# Altium PCB RSD_M1_HELMET_UNIT_MCU_V2.PcbDoc
Units mm, origin at the board's own origin, x right, y up, seen from the top; angles counter-clockwise.
Board outline 79.69 x 55.26 mm, 4 copper layers (Top Layer, GND, PWR, Bottom Layer), stack 1.643 mm thick; 79 components, 160 nets, 258 pads, 238 vias.
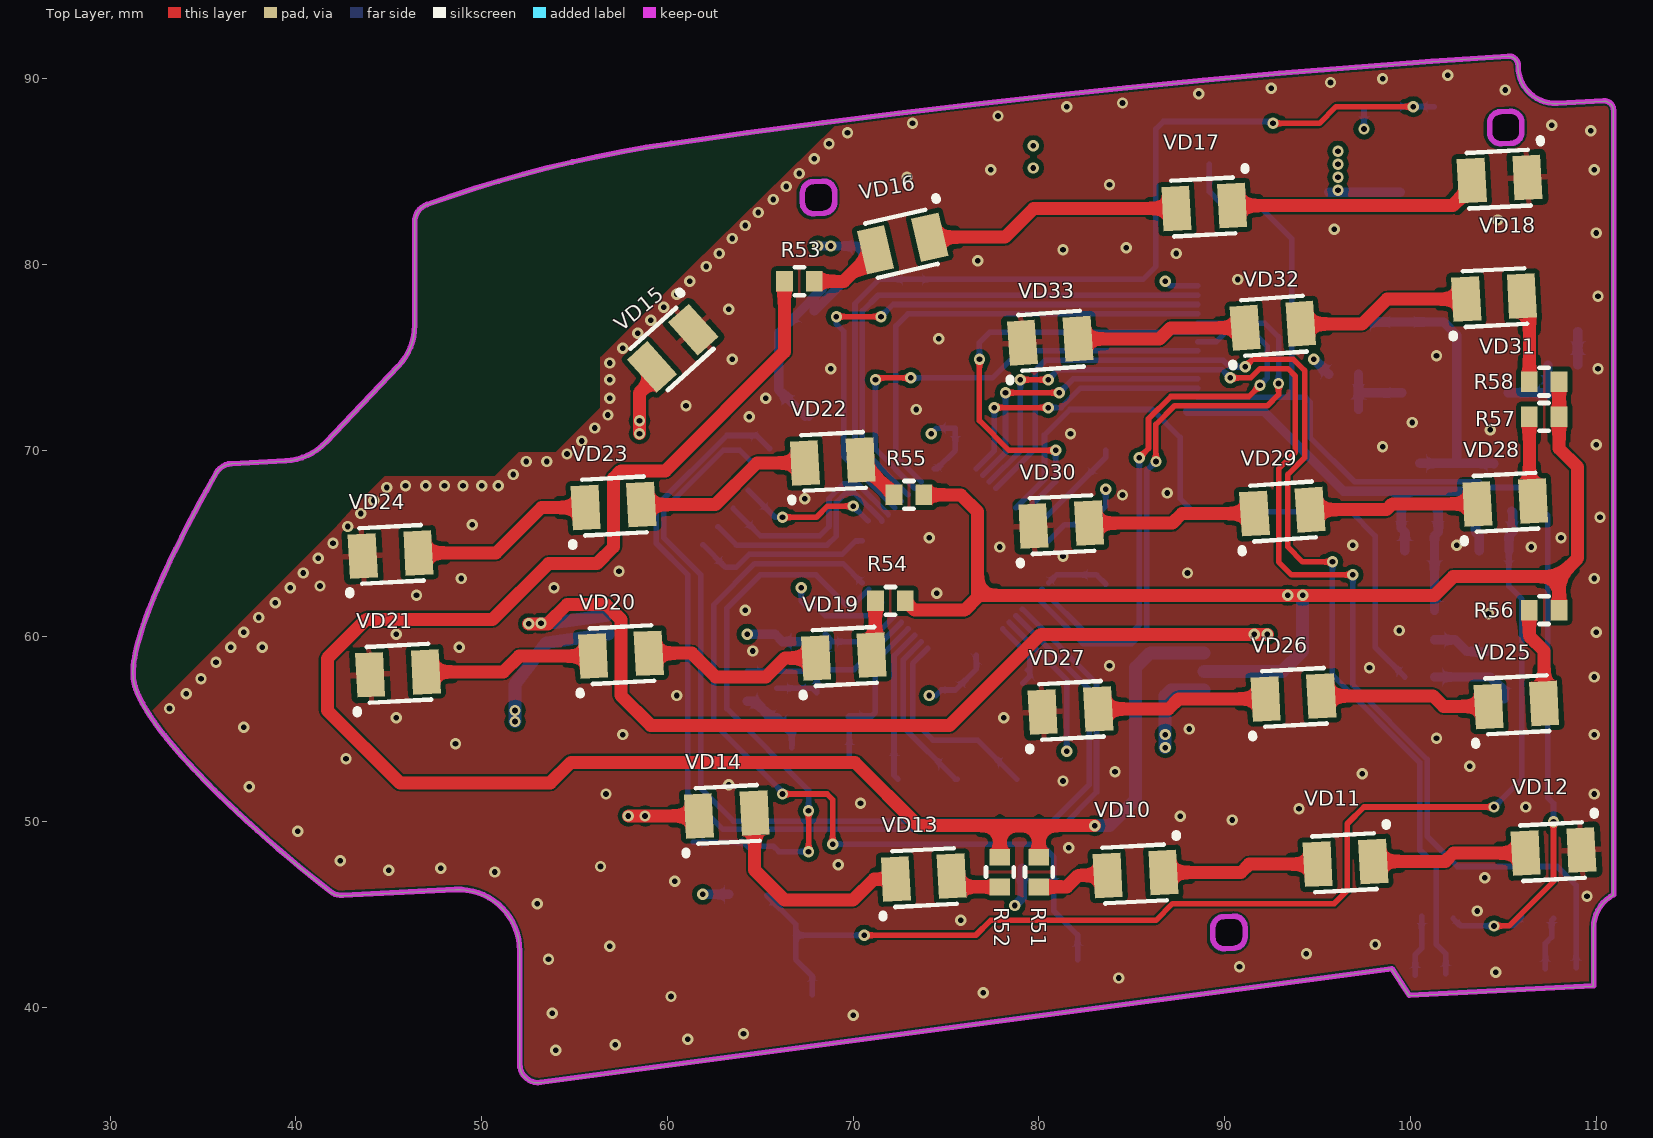
[diagram p0: Top Layer view]
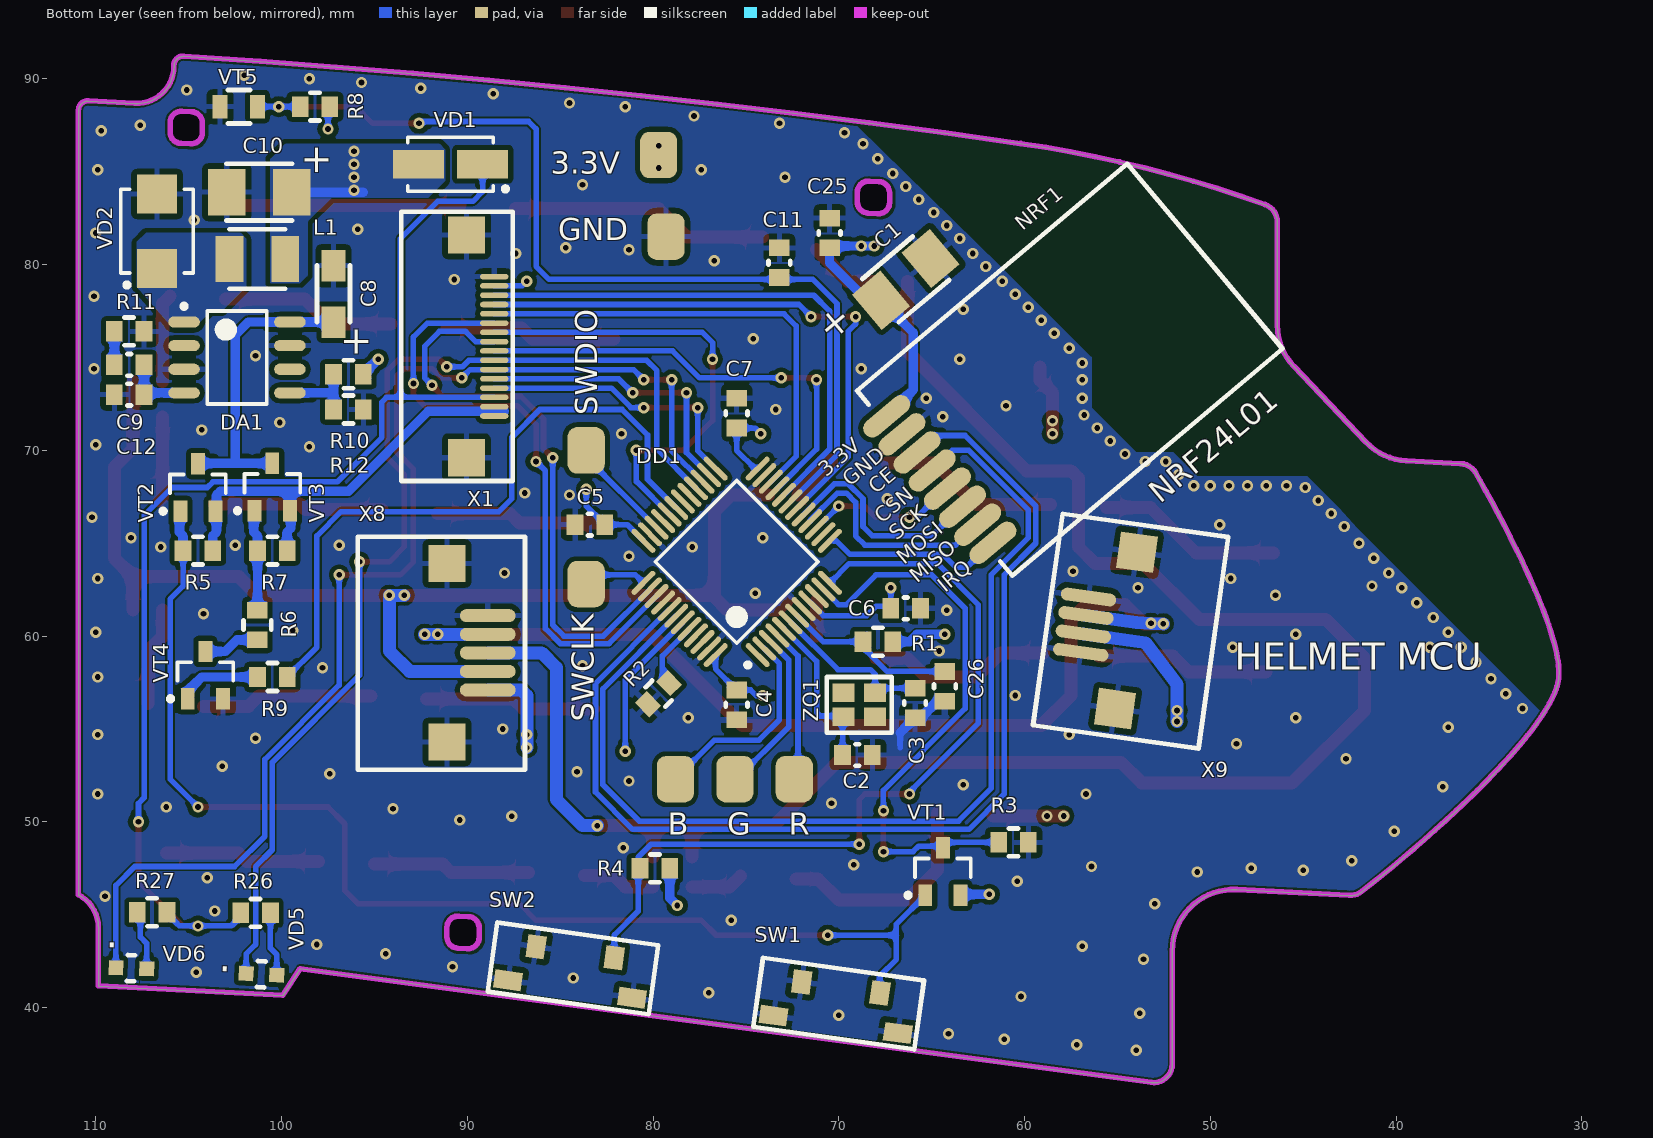
[diagram p1: Bottom Layer view, seen from below]
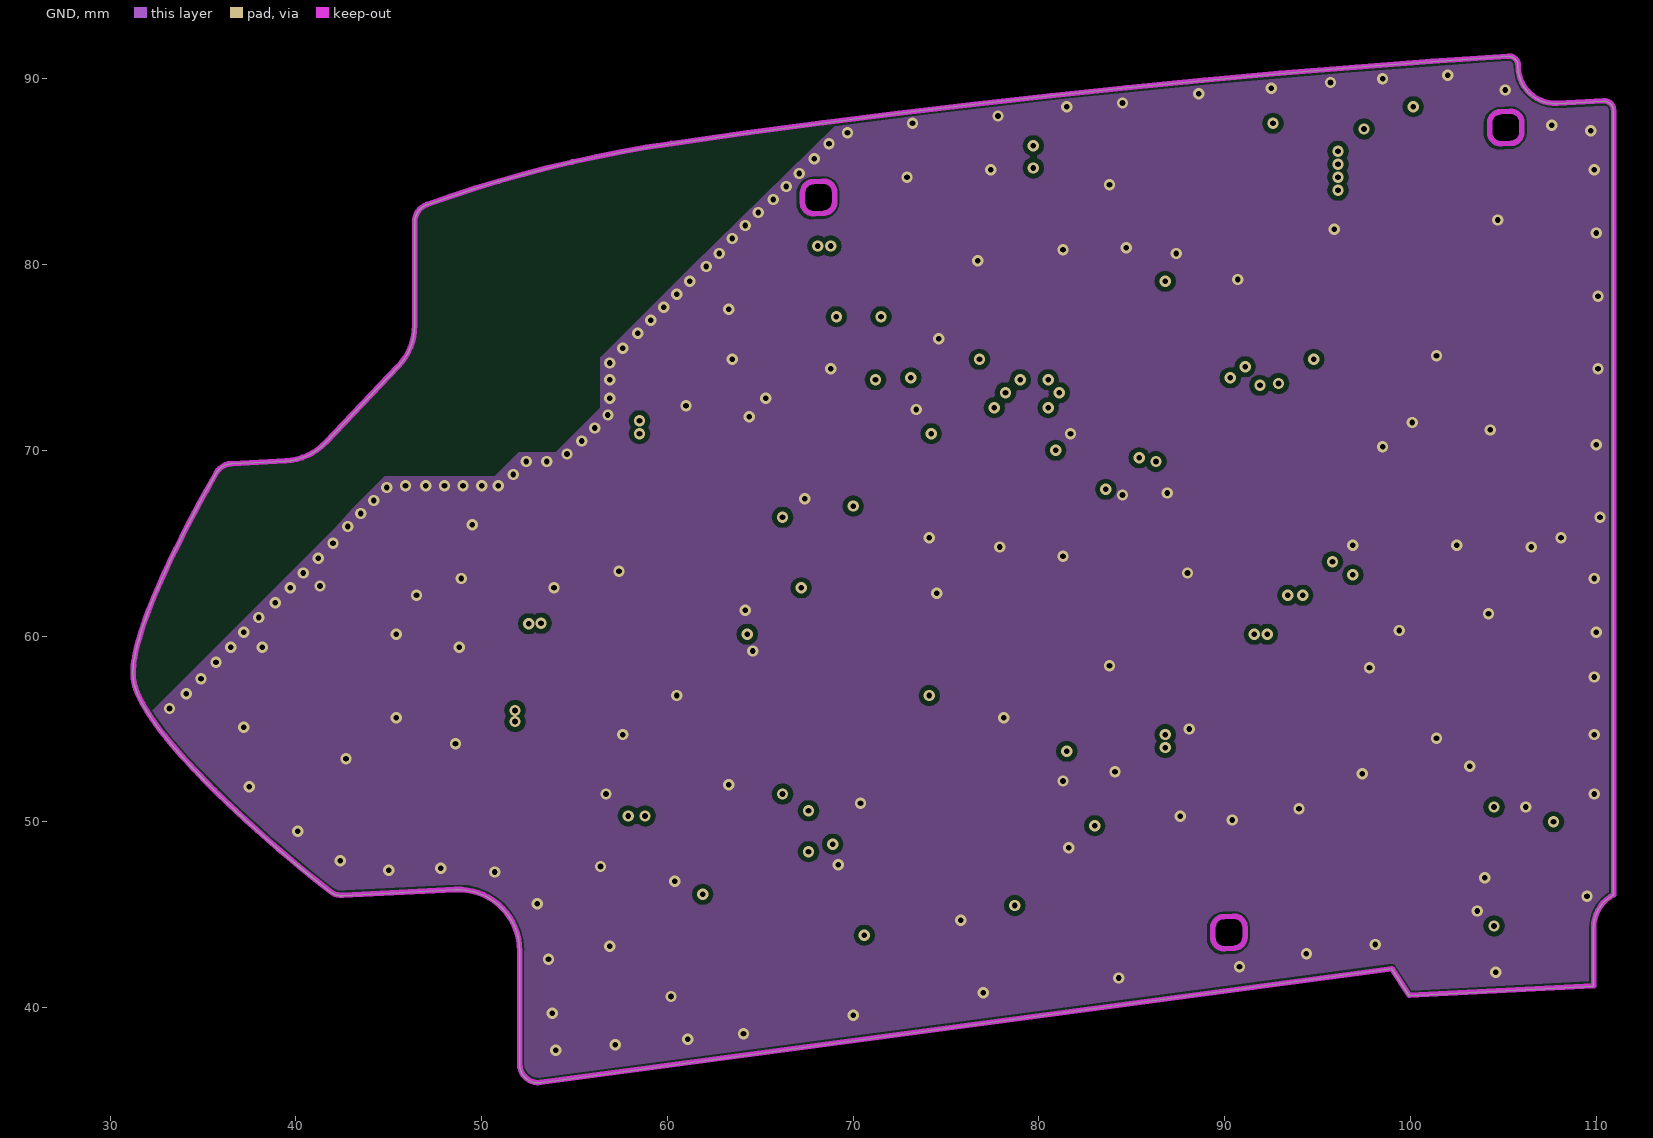
[diagram p2: GND]
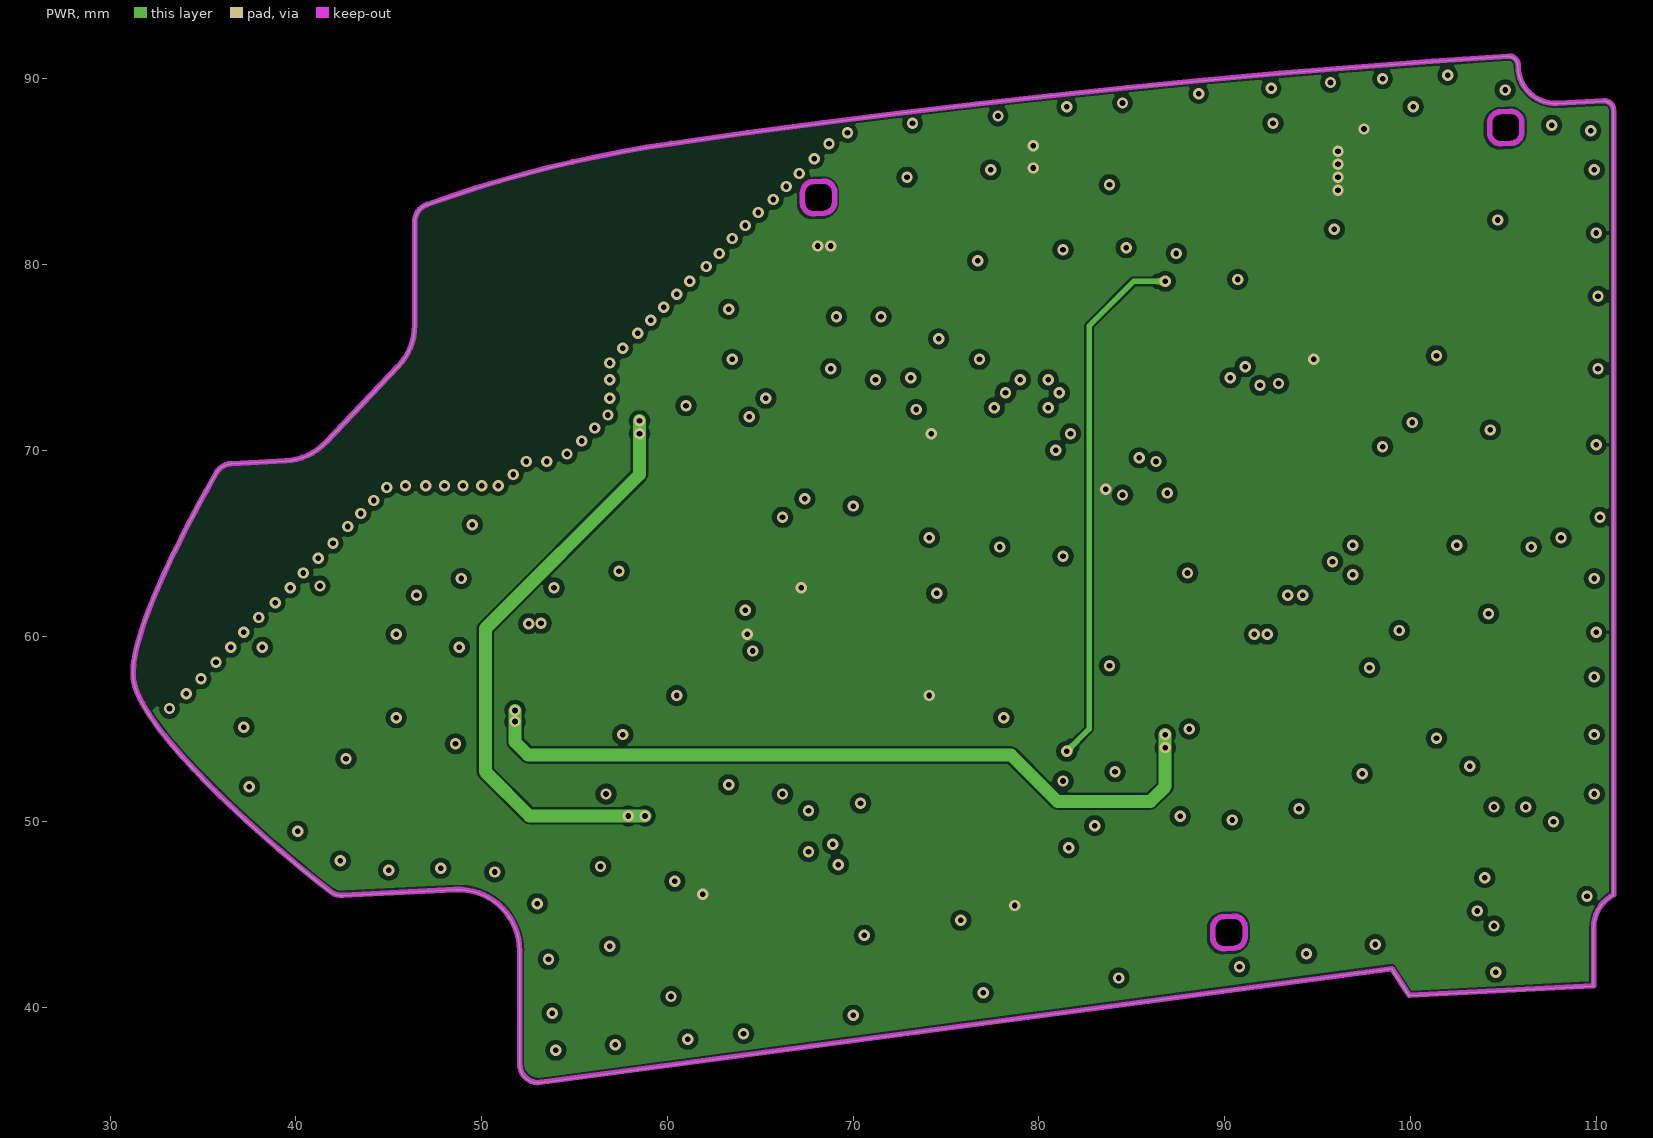
[diagram p3: PWR]
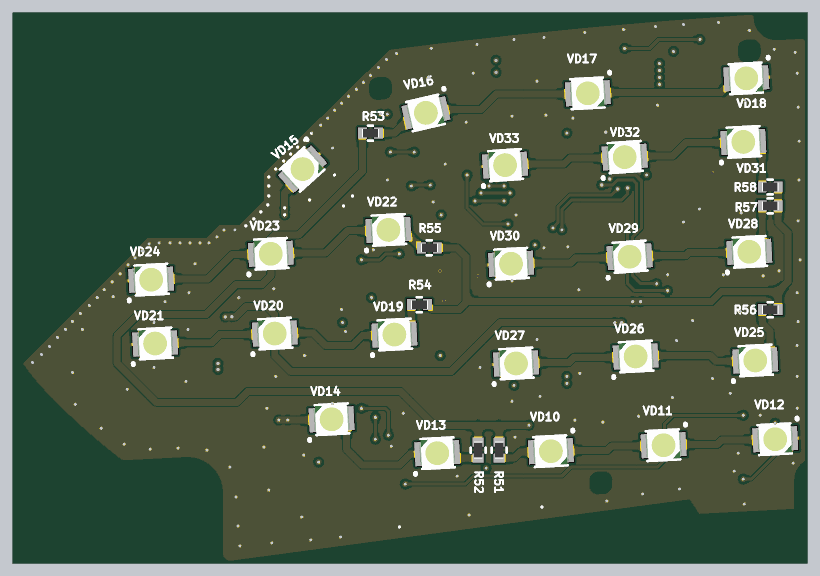
[diagram p4: 3D render of the assembled board from above, using the file's embedded part models]
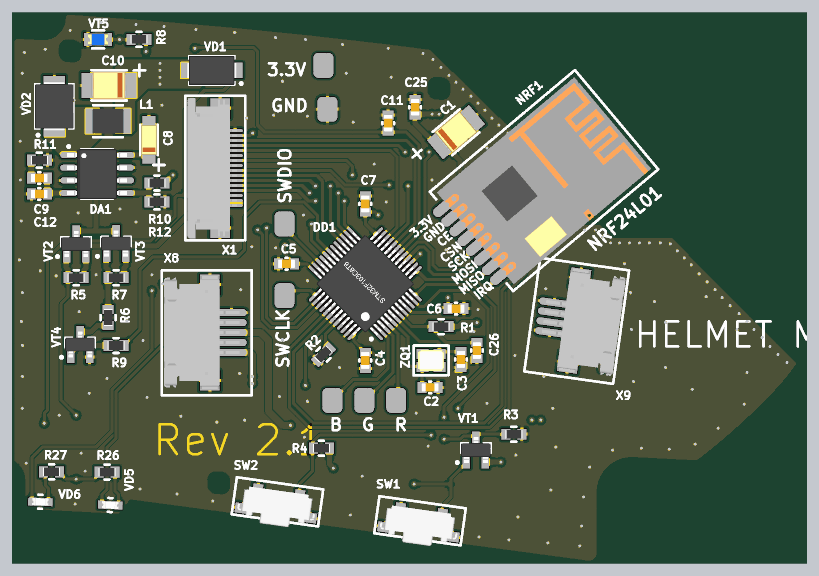
[diagram p5: 3D render of the assembled board from below, using the file's embedded part models]

## Layer stack, top to bottom
Top Solder: solder mask 0.0102, Solder Resist, Dk 3.5
Top Layer: signal copper 0.0356
Dielectric 1: core 0.5, FR-4, Dk 4.2
GND: signal copper 0.036
Dielectric 3: prepreg 0.5, Dk 4.2
PWR: signal copper 0.036
Dielectric 2: core 0.5, Dk 4.2
Bottom Layer: signal copper 0.0356
Bottom Solder: solder mask 0.0102, Solder Resist, Dk 3.5

## Board outline
33.917,53.463 33.725,53.678 33.463,53.979 33.207,54.282 32.958,54.587 32.72,54.891 32.493,55.193 32.385,55.343 32.281,55.491 32.104,55.753 31.942,56.008 31.796,56.254 31.73,56.374 31.668,56.49 31.61,56.603 31.558,56.712 31.474,56.9 31.404,57.076 31.349,57.239 31.306,57.391 31.274,57.536 31.252,57.679 31.239,57.817 31.232,57.964 31.233,58.122 31.242,58.294 31.26,58.479 31.286,58.677 31.318,58.872 31.358,59.076 31.405,59.289 31.444,59.453 31.488,59.622 31.536,59.795 31.587,59.971 31.686,60.29 31.794,60.616 31.911,60.947 32.003,61.196 32.099,61.447 32.199,61.703 32.303,61.959 32.415,62.23 32.53,62.501 32.769,63.047 33.019,63.595 33.276,64.144 33.511,64.633 33.752,65.12 33.996,65.605 34.182,65.968 34.37,66.33 34.696,66.945 35.027,67.557 35.365,68.165 35.708,68.769 cw(c36.575,68.271) 36.524,69.27 39.448,69.421 ccw(c39.283,72.617) 41.599,70.409 45.508,74.511 ccw(c43.192,76.718) 46.392,76.718 46.392,82.275 cw(c47.392,82.275) 47.054,83.216 cw(c69.91,19.613) 60.201,86.497 60.201,86.496 cw(c142.106,-479.537) 105.253,91.203 105.253,91.202 cw(c105.285,90.703) 105.785,90.703 105.785,90.66 ccw(c107.785,90.66) 107.888,88.663 110.397,88.793 cw(c110.423,88.293) 110.923,88.293 110.923,46.059 ccw(c111.849,44.286) 109.849,44.286 109.849,41.155 99.928,40.642 98.994,42.082 53.176,35.955 cw(c53.043,36.946) 52.043,36.946 52.043,43.044 ccw(c48.743,43.044) 48.573,46.34 42.515,46.027 cw(c42.463,47.025) 41.843,46.241 41.293,46.676 40.698,47.152 40.107,47.635 39.522,48.124 38.943,48.619 38.369,49.121 37.801,49.628 37.239,50.141 36.682,50.66 36.132,51.185 35.86,51.449 35.59,51.715 35.233,52.072 34.881,52.431 34.535,52.793 34.322,53.02 34.11,53.249
cut-out: 104.21,87.057 104.21,87.586 cw(c104.81,87.586) 104.779,88.185 105.312,88.213 cw(c105.343,87.614) 105.506,88.191 cw(c105.343,87.614) 105.943,87.614 105.943,87.085 cw(c105.343,87.085) 105.374,86.486 104.841,86.458 cw(c104.81,87.057)
cut-out: 67.218,83.296 67.218,83.825 cw(c67.818,83.825) 67.787,84.424 68.32,84.452 cw(c68.351,83.852) 68.951,83.852 68.951,83.323 cw(c68.351,83.323) 68.382,82.724 67.849,82.697 cw(c67.818,83.296)
cut-out: 89.31,43.732 89.31,44.261 cw(c89.91,44.261) 89.879,44.86 90.412,44.888 cw(c90.443,44.288) 91.043,44.288 91.043,43.759 cw(c90.443,43.759) 90.474,43.16 89.941,43.133 cw(c89.91,43.732)

## Design rules (kind name [scope] priority, off if disabled: settings)
Clearance [All] p1: gap=0.254 ignorepadtopadclearanceinfootprint=FALSE except(0: SMDPad-Hole THPad-Hole Via-Hole Fill-Hole Poly-Hole Region-Hole Text-Hole; 0.1: Arc-Arc Arc-Track Arc-SMDPad Arc-THPad Arc-Via Arc-Fill Arc-Poly Arc-Region Arc-Text Arc-Hole Track-Track Track-SMDPad Track-THPad Track-Via Track-Fill Track-Poly Track-Region Track-Text Track-Hole SMDPad-SMDPad SMDPad-THPad SMDPad-Via)
PolygonConnect [All] p1: thpad.connectstyle=Relief thpad.reliefconductorwidth=0.254 thpad.reliefentries=4 thpad.polygonreliefangle="90 Angle" thpad.airgapwidth=0.254 smdpad.connectstyle=Relief smdpad.reliefconductorwidth=0.3 smdpad.reliefentries=4 smdpad.polygonreliefangle="90 Angle" smdpad.airgapwidth=0.3 via.connectstyle=Direct via.reliefconductorwidth=0.254 via.reliefentries=4 via.polygonreliefangle="90 Angle" via.airgapwidth=0.254
RoutingVias [All] p1: holewidth=0.711 width=1.27 viastyle="Through Hole" minholewidth=0.711 minwidth=1.27 maxholewidth=0.711 maxwidth=1.27
SolderMaskExpansion [All] p1: expansion=0.102
Width [All] p1: maxlimit=2 minlimit=0.1 preferedwidth=0.3
30 further rules are at their usual default settings.

## Classes and differential pairs
component class RSD_M1_HELMET_UNIT_MCU_V2: C1 C2 C3 C4 C5 C6 C7 C8 C9 C10 C11 C12 C25 C26 DA1 DD1 L1 NRF1 R1 R2 R3 R4 R5 R6 R7 R8 R9 R10 R11 R12 SW1 SW2 VD1 VD2 VT1 VT2 VT3 VT4 VT5 X1 ZQ1
component class RSD_M1_HELMET_UNIT_MCU_STOP_LIGHT_V2: R51 R52 R53 R54 R55 R56 R57 R58 VD10 VD11 VD12 VD13 VD14 VD15 VD16 VD17 VD18 VD19 VD20 VD21 VD22 VD23 VD24 VD25 VD26 VD27 VD28 VD29 VD30 VD31 VD32 VD33 X8 X9
component class RSD_M1_HELMET_UNIT_POWER_V2: R26 R27 VD5 VD6

## Components (designator, comment, footprint, x,y, rotation, side; value= is the part's Value field where it differs from the comment)
C1 "100 uf" tantal_case_B 66.4,79.2 r140 bottom value=T491B107M006AT
C2 "Capacitor" CAP0603 69,53.6 r0 bottom value="10 pF"
C3 "Capacitor" CAP0603 65.9,56.4 r90 bottom value="10 pF"
C4 "Capacitor" CAP0603 75.5,56.3 r90 bottom value="0.1 uF"
C5 "Capacitor" CAP0603 83.4,66 r180 bottom value="0.1 uF"
C6 "Capacitor" CAP0603 66.4,61.5 r0 bottom value="0.1 uF"
C7 "Capacitor" CAP0603 75.5,72 r270 bottom value="0.1 uF"
C8 "10 uF" tantal_case_A 97.2,78.424 r90 bottom value=TAJA106M016RNJ
C9 "Capacitor" CAP0603 108.2,74.6 r180 bottom value="22 nF"
C10 "100 uf" tantal_case_B 101.2,83.9 r0 bottom value=T491B107M006AT
C11 "Capacitor" CAP0603 73.2,80.1 r270 bottom value="220 pF"
C12 "Capacitor" CAP0603 108.2,73 r180 bottom value="220 pF"
C25 "Capacitor" CAP0603 70.5,81.7 r270 bottom value="0.1 uF"
C26 "Capacitor" CAP0603 64.3,57.3 r90 bottom value="0.1 uF"
DA1 "LD5973AD" SOIC-8 102.4,75 r180 bottom
DD1 "STM32F103C8Tx" STM32F103C8T6 75.5,64 r45 bottom value=STM32F103C8T6
L1 "coil" LQH3N 101.3,80.3 r180 bottom value="22 uH LQH3N"
NRF1 "NRF24L01" NRF24L01 63.7,69.2 r230 bottom
R1 "Resistor" Res0603 67.9,59.7 r180 bottom value="10 kOm"
R2 "Resistor" Res0603 79.7,56.9 r315 bottom value="10 kOm"
R3 "Resistor" Res0603 60.6,48.9 r180 bottom value="100 kOm"
R4 "Resistor" Res0603 79.9,47.5 r0 bottom value="100 kOm"
R5 "Resistor" Res0603 104.5,64.6 r180 bottom value="1 kOm"
R6 "Resistor" Res0603 101.3,60.6 r90 bottom value="1 kOm"
R7 "Resistor" Res0603 100.5,64.6 r180 bottom value="1 kOm"
R8 "Resistor" Res0603 98.2,88.5 r180 bottom value="1 kOm"
R9 "Resistor" Res0603 100.5,57.8 r180 bottom value="1 kOm"
R10 "Resistor" Res0603 96.4,74.1 r0 bottom value="5.6 kOm"
R11 "Resistor" Res0603 108.2,76.4 r180 bottom value="4.7 kOm"
R12 "Resistor" Res0603 96.4,72.2 r180 bottom value="3.3 kOm"
R26 "Resistor" Res0603 101.4,45.1 r0 bottom value="150 Om"
R27 "Resistor" Res0603 106.967,45.133 r180 bottom value="150 Om"
R51 "Resistor" Res0603 80,47.3 r90 top value="200 Om"
R52 "Resistor" Res0603 77.9,47.3 r90 top value="200 Om"
R53 "Resistor" Res0603 67.1,79.1 r180 top value="200 Om"
R54 "Resistor" Res0603 72,61.9 r0 top value="200 Om"
R55 "Resistor" Res0603 73,67.6 r0 top value="200 Om"
R56 "Resistor" Res0603 107.2,61.4 r0 top value="200 Om"
R57 "Resistor" Res0603 107.2,71.8 r0 top value="200 Om"
R58 "Resistor" Res0603 107.2,73.7 r0 top value="200 Om"
SW1 "tact_switch" tact_switch 70.1,39.6 r188 bottom value=TL3330AF260QG
SW2 "tact_switch" tact_switch 84.4,41.5 r188 bottom value=TL3330AF260QG
VD1 "Diode" SMA-F 90.9,85.4 r0 bottom value=SS14
VD2 "Schottky" SMB1 106.7,81.8 r90 bottom value=STPS340U
VD5 "LED" "LED 0603" 101.1,41.8 r93 bottom value=ASMT-CW00
VD6 "LED" "LED 0603" 108.107,42.123 r92 bottom value=ASMT-CW00
VD10 "LED" 3528_LED 85.2,47.2 r3 top
VD11 "LED" 3528_LED 96.5,47.8 r3 top
VD12 "LED" 3528_LED 107.7,48.4 r3 top
VD13 "LED" 3528_LED 73.8,47 r183 top
VD14 "LED" 3528_LED 63.2,50.4 r183 top
VD15 "LED" 3528_LED 60.285,75.496 r42 top
VD16 "LED" 3528_LED 72.662,81.137 r13 top
VD17 "LED" 3528_LED 88.9,83.1 r3 top
VD18 "LED" 3528_LED 104.8,84.6 r3 top
VD19 "LED" 3528_LED 69.5,58.9 r183 top
VD20 "LED" 3528_LED 57.5,59 r183 top
VD21 "LED" 3528_LED 45.5,58 r183 top
VD22 "LED" 3528_LED 68.9,69.4 r183 top
VD23 "LED" 3528_LED 57.1,67 r183 top
VD24 "LED" 3528_LED 45.1,64.4 r183 top
VD25 "LED" 3528_LED 105.7,56.3 r183 top
VD26 "LED" 3528_LED 93.7,56.7 r183 top
VD27 "LED" 3528_LED 81.7,56 r183 top
VD28 "LED" 3528_LED 105.1,67.2 r183 top
VD29 "LED" 3528_LED 93.096,66.705 r184 top
VD30 "LED" 3528_LED 81.2,66 r183 top
VD31 "LED" 3528_LED 104.502,78.221 r183 top
VD32 "LED" 3528_LED 92.6,76.7 r184 top
VD33 "LED" 3528_LED 80.604,75.895 r184 top
VT1 "MOSFET-P" "SOT 23" 64.4,47.325 r90 bottom value=SI2301
VT2 "MOSFET-P" "SOT 23" 104.5,68 r90 bottom value=SI2301
VT3 "MOSFET-P" "SOT 23" 100.5,68.025 r90 bottom value=SI2301
VT4 "NPN" "SOT 23" 104.1,57.9 r90 bottom value=BC847
VT5 "Phototransistor" LED0805 102.3,88.5 r0 bottom value=APA3010P3BT-GX
X1 "FPC_connector_16" FPC_16_0.5 90.3,75.6 r270 bottom value=0527461671
X8 "FPC_connector_5_1" FPC_5_1 91.9,59.6 r270 bottom
X9 "FPC_connector_4_1" FPC_4_1 53.8,60.2 r98 bottom value=0522070433
ZQ1 "Qartz" crystal 68.9,56.3 r0 bottom value=NX2520SA-16MHZ

## Footprints (in the part's own frame and the unit in brackets; to place one, negate y for a bottom-side part, rotate by r counter-clockwise, add the part's x,y. Pads: shape width x height; smd on the part's side, far side on the other; paste and mask are expansions set on the pad)
3528_LED [mm]
  rect 1.5x2.4 smd: 1(1.5,0) 2(-1.5,0)
  silkscreen extent -1.7,-1.5 2.3,2, body extent -1.75,-1.4 1.75,1.4, height 1.9
CAP0603 [mm]
  rect 0.9x1.1 smd: 1(-0.8,0) 2(0.8,0)
  silkscreen extent -0.1,-0.58 0.1,0.58, body extent -0.85,-0.43 0.85,0.43, height 0.9
crystal [mm]
  rect 1.2x1 smd: 1(-0.85,-0.65) 2(0.85,0.65) 3(0.85,-0.65) 4(-0.85,0.65)
  silkscreen extent -1.75,-1.5 1.75,1.5, body extent -1.3,-1.05 1.3,1.05, height 0.55
FPC_4_1 [mm]
  rect 2x2 smd: 0(-4.25,0.75) 0(4.25,0.75)
  oval 0.7x3 smd: 1(-1.5,3) 2(-0.5,3) 3(0.5,3) 4(1.5,3)
  silkscreen extent -5.75,-4 5.75,5, body extent -5.15,-3.8 5.15,3.8, height 2.7
FPC_5_1 [mm]
  rect 2x2 smd: 0(-4.3,0.8) 0(5.3,0.8)
  oval 0.7x3 smd: 1(-1.5,3) 2(-0.5,3) 3(0.5,3) 4(1.5,3) 5(2.5,3)
  silkscreen extent -5.75,-4 6.8,5, body extent -5.15,-3.8 6.15,3.8, height 2.7
FPC_16_0.5 [mm]
  rect 2x2 smd: 0(-6,0.25) 0(6,0.25)
  oval 0.3x1.524 smd: 1(-3.75,1.75) 2(-3.25,1.75) 3(-2.75,1.75) 4(-2.25,1.75) 5(-1.75,1.75) 6(-1.25,1.75) 7(-0.75,1.75) 8(-0.25,1.75) 9(0.25,1.75) 10(0.75,1.75) 11(1.25,1.75) 12(1.75,1.75) 13(2.25,1.75) 14(2.75,1.75) 15(3.25,1.75) 16(3.75,1.75)
  silkscreen extent -7.25,-3.25 7.25,2.75, body extent -7.05,-3.05 7.05,1.95, height 2
LED0805 [mm]
  rect 0.8x1.27 smd: 1(-1.01,0) 2(1.01,0)
  silkscreen extent -0.6,-0.9 0.6,0.9, body extent -1.01,-0.63 1.01,0.62, height 1.1
"LED 0603" [mm]
  rect 0.8x0.8 smd: 1(-0.005,0.808) 2(-0.005,-0.842)
  silkscreen extent -0.7,-0.2 0.7,0.2, body extent -0.37,-0.84 0.36,0.81, height 0.68
LQH3N [mm]
  rect 1.5x2.5 smd: 1(-1.5,0) 2(1.5,0)
  silkscreen extent -1.5,-1.6 1.5,1.6, body extent -1.6,-1.25 1.6,1.25, height 1.55
NRF24L01 [mm]
  oval 1x3 smd: 1(-4.41,-1.16) 2(-3.14,-1.16) 3(-1.87,-1.16) 4(-0.6,-1.16) 5(0.67,-1.16) 6(1.94,-1.16) 7(3.21,-1.16) 8(4.48,-1.16)
  silkscreen extent -6.5,-1.5 6.5,17.5, body extent -6,-1 6,17, height 0.8
Res0603 [mm]
  rect 0.9x1.1 smd: 1(-0.8,0) 2(0.8,0)
  silkscreen extent -0.25,-0.75 0.25,0.75, body extent -0.85,-0.43 0.85,0.43, height 0.5
SMA-F [mm] "Molded Diode, 2-Leads, Body 4,30x2,70mm, IPC Medium Density"
  rect 2.75x1.55 smd: 1(-1.725,0) 2(1.725,0)
  silkscreen extent -3.07,-1.45 2.3,1.45, body extent -2.52,-1.45 2.52,1.45, height 2.4
SMB1 [mm] "Molded Diode, 2-Leads, Body 4,25x3,60mm, IPC Medium Density"
  rect 2.1x2.15 smd: 1(-2,0) 2(2,0)
  silkscreen extent -3.02,-1.95 2.25,1.95, body extent -2.47,-1.95 2.47,1.95, height 1.8
SOIC-8 [mm] "SOIC, 8-Leads, Body 4,90x3,90mm, Pitch 1,27mm, IPC Medium Density"
  oval 1.7x0.6 smd: 1(-2.85,1.905) 2(-2.85,0.635) 3(-2.85,-0.635) 4(-2.85,-1.905) 5(2.85,-1.905) 6(2.85,-0.635) 7(2.85,0.635) 8(2.85,1.905)
  silkscreen extent -2.98,-2.5 1.6,2.88, body extent -3,-2.5 3,2.5, height 1.75
"SOT 23" [mm] "SOT23, 3-Leads, Body 2,90x2,45mm, Pitch 0,95mm, IPC Medium Density"
  rect 1.15x0.75 smd: 1(-1.275,0.95) 2(-1.275,-0.95) 3(1.275,0)
  silkscreen extent -1.4,-1.5 0.7,2, body extent -1.3,-1.5 1.3,1.5, height 1.1
STM32F103C8T6 [mm]
  oval 1.7x0.3 smd: 1(-4.35,2.75) 2(-4.35,2.25) 3(-4.35,1.75) 4(-4.35,1.25) 5(-4.35,0.75) 6(-4.35,0.25) 7(-4.35,-0.25) 8(-4.35,-0.75) 9(-4.35,-1.25) 10(-4.35,-1.75) 11(-4.35,-2.25) 12(-4.35,-2.75) 25(4.35,-2.75) 26(4.35,-2.25) 27(4.35,-1.75) 28(4.35,-1.25) 29(4.35,-0.75) 30(4.35,-0.25) 31(4.35,0.25) 32(4.35,0.75) 33(4.35,1.25) 34(4.35,1.75) 35(4.35,2.25) 36(4.35,2.75)
  oval 0.3x1.7 smd: 13(-2.75,-4.35) 14(-2.25,-4.35) 15(-1.75,-4.35) 16(-1.25,-4.35) 17(-0.75,-4.35) 18(-0.25,-4.35) 19(0.25,-4.35) 20(0.75,-4.35) 21(1.25,-4.35) 22(1.75,-4.35) 23(2.25,-4.35) 24(2.75,-4.35) 37(2.75,4.35) 38(2.25,4.35) 39(1.75,4.35) 40(1.25,4.35) 41(0.75,4.35) 42(0.25,4.35) 43(-0.25,4.35) 44(-0.75,4.35) 45(-1.25,4.35) 46(-1.75,4.35) 47(-2.25,4.35) 48(-2.75,4.35)